# Altium PCB PCB1.PcbDoc (continued)
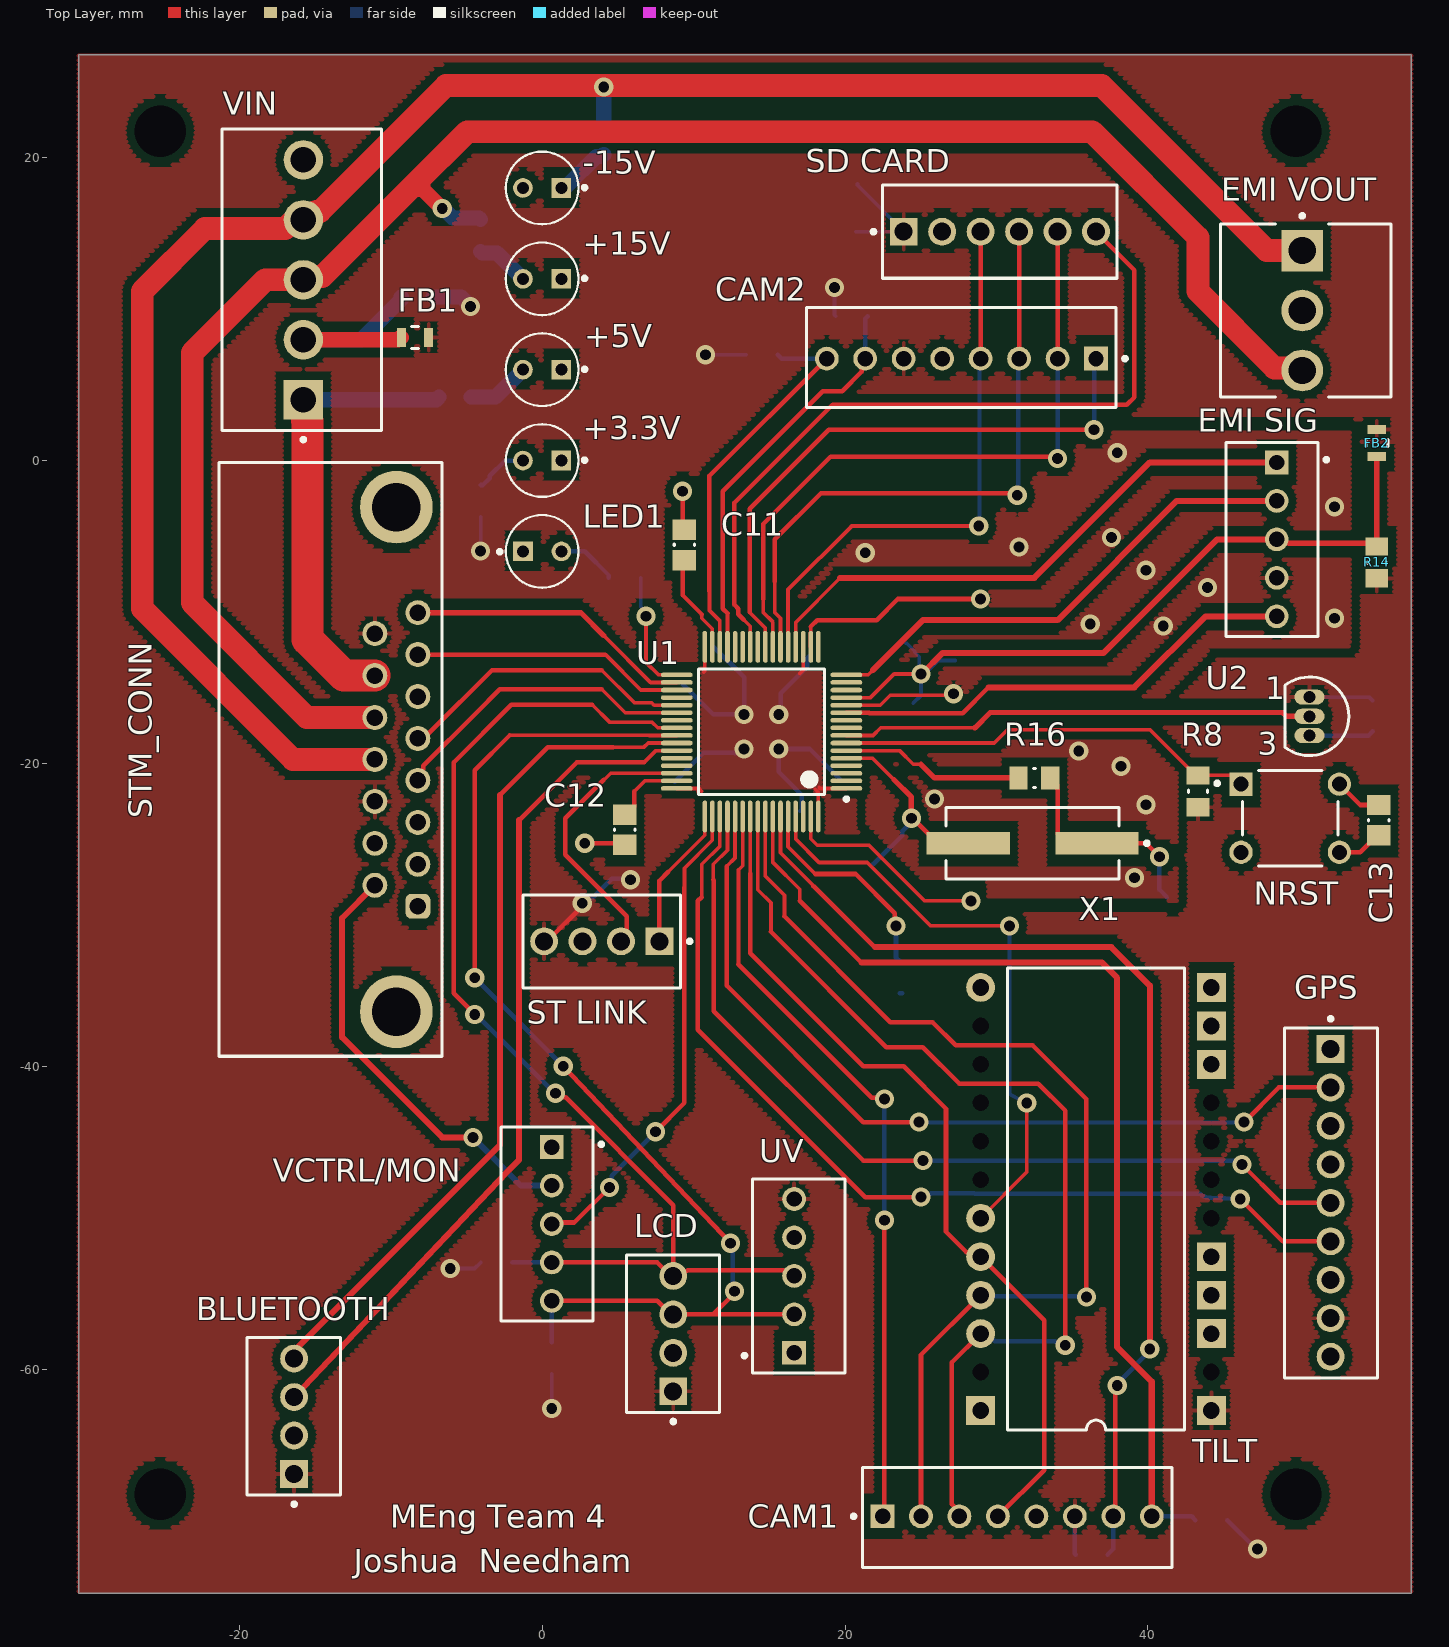
[diagram p0: Top Layer view]
## Footprints (in the part's own frame and the unit in brackets; to place one, negate y for a bottom-side part, rotate by r counter-clockwise, add the part's x,y. Pads: shape width x height; smd on the part's side, far side on the other; paste and mask are expansions set on the pad) (continued)
  rect 1.57x1.57 hole 1.02 paste-2539.97 mask+0: 1(-8.895,0.075)
  round 1.57 hole 1.02 paste-2539.97 mask+0: 2(-6.355,0.075) 3(-3.815,0.075) 4(-1.275,0.075) 5(1.265,0.075) 6(3.805,0.075) 7(6.345,0.075) 8(8.885,0.075)
  silkscreen extent -10.93,-3.3 10.21,3.3, body extent -10.31,-3.4 10.31,3.4, height 0.25
FP-22-27-2061-MFG [mm]
  rect 1.84x1.84 hole 1.19 paste-2539.97 mask+0: 1(-6.35,0)
  round 1.84 hole 1.19 paste-2539.97 mask+0: 2(-3.81,0) 3(-1.27,0) 4(1.27,0) 5(3.81,0) 6(6.35,0)
  silkscreen extent -8.47,-3.08 7.75,3.07, body extent -7.85,-3.17 7.85,3.17, height 0.25
FP-22-29-2041-MFG [mm]
  rect 1.84x1.84 hole 1.19 paste-2539.97 mask+0: 1(3.81,0.02)
  round 1.84 hole 1.19 paste-2539.97 mask+0: 2(1.27,0.02) 3(-1.27,0.02) 4(-3.81,0.02)
  silkscreen extent -5.2,-3.07 5.93,3.08, body extent -5.31,-3.18 5.31,3.18, height 0.25
FP-22-29-2091-MFG [mm]
  rect 1.84x1.84 hole 1.19 paste-2539.97 mask+0: 1(10.16,0.02)
  round 1.84 hole 1.19 paste-2539.97 mask+0: 2(7.62,0.02) 3(5.08,0.02) 4(2.54,0.02) 5(0,0.02) 6(-2.54,0.02) 7(-5.08,0.02) 8(-7.62,0.02) 9(-10.16,0.02)
  silkscreen extent -11.55,-3.07 12.28,3.08, body extent -11.66,-3.18 11.66,3.17, height 0.25
FP-26-60-4050-MFG [mm]
  rect 2.6x2.6 hole 1.7 paste-2539.97 mask+0: 1(7.92,0.105)
  round 2.6 hole 1.7 paste-2539.97 mask+0: 2(3.96,0.105) 3(0,0.105) 4(-3.96,0.105) 5(-7.92,0.105)
  silkscreen extent -9.95,-5.26 10.68,5.26, body extent -10.05,-5.36 10.05,5.36, height 0.25
FP-BLM21-0_2-t0_85-e0_5-MFG [mm]
  rect 0.6x1.25 smd paste+0 mask+0: 1(-0.9,0) 2(0.9,0)
  silkscreen extent -0.23,-0.72 0.23,0.72, body extent -1.3,-0.82 1.3,0.82, height 0.25
FP-CRCW0805-e3-IPC_A [mil]
  rect 47.5x59.38 smd paste+0 mask+0: 1(-41.37,0) 2(41.37,0)
  silkscreen extent -3,-25 3,25, body extent -39,-25 39,25, height 20
FP-GRM21A-0_2-IPC_A [mm]
  rect 1.505x1.556 smd paste+0 mask+0: 1(-0.901,0) 2(0.901,0)
  silkscreen extent -1.65,-1.18 1.65,1.18, body extent -1,-0.63 1,0.63, height 1
FP-LTL-1CHEE-MFG [mm]
  rect 1.3x1.3 hole 0.8 paste-2539.97 mask+0: 1(-1.27,0)
  round 1.3 hole 0.8 paste-2539.97 mask+0: 2(1.27,0)
  silkscreen extent -2.93,-2.4 2.4,2.4, body extent -2.15,-2.15 2.15,2.15, height 0.25
STM-LQFP64_M [mm] "Thin QFP, 64-Leads, Body 10x10mm, Pitch 0.5mm, IPC Low Density"
  oval 2.1x0.3 smd: 1(-5.6,3.75) 2(-5.6,3.25) 3(-5.6,2.75) 4(-5.6,2.25) 5(-5.6,1.75) 6(-5.6,1.25) 7(-5.6,0.75) 8(-5.6,0.25) 9(-5.6,-0.25) 10(-5.6,-0.75) 11(-5.6,-1.25) 12(-5.6,-1.75) 13(-5.6,-2.25) 14(-5.6,-2.75) 15(-5.6,-3.25) 16(-5.6,-3.75) 33(5.6,-3.75) 34(5.6,-3.25) 35(5.6,-2.75) 36(5.6,-2.25) 37(5.6,-1.75) 38(5.6,-1.25) 39(5.6,-0.75) 40(5.6,-0.25) 41(5.6,0.25) 42(5.6,0.75) 43(5.6,1.25) 44(5.6,1.75) 45(5.6,2.25) 46(5.6,2.75) 47(5.6,3.25) 48(5.6,3.75)
  oval 0.3x2.1 smd: 17(-3.75,-5.6) 18(-3.25,-5.6) 19(-2.75,-5.6) 20(-2.25,-5.6) 21(-1.75,-5.6) 22(-1.25,-5.6) 23(-0.75,-5.6) 24(-0.25,-5.6) 25(0.25,-5.6) 26(0.75,-5.6) 27(1.25,-5.6) 28(1.75,-5.6) 29(2.25,-5.6) 30(2.75,-5.6) 31(3.25,-5.6) 32(3.75,-5.6) 49(3.75,5.6) 50(3.25,5.6) 51(2.75,5.6) 52(2.25,5.6) 53(1.75,5.6) 54(1.25,5.6) 55(0.75,5.6) 56(0.25,5.6) 57(-0.25,5.6) 58(-0.75,5.6) 59(-1.25,5.6) 60(-1.75,5.6) 61(-2.25,5.6) 62(-2.75,5.6) 63(-3.25,5.6) 64(-3.75,5.6)
  silkscreen extent -5.72,-4.15 4.15,4.57, body extent -5,-5 5,5, height 1.6

## Part data
+3.3V +5V +15V -15V LED1: library part CMP-22017-000040-1, "LED RED CLEAR T/H", Case/Package=T, Color=Red, Forward Current=30mA, Forward Voltage=2V, Max Operating Temperature=100°C, Max Power Dissipation=100mW, Min Operating Temperature=-55°C, Package Quantity=1000, Reverse Voltage=5V, Test Current=10mA, Depth=3.8mm, Diameter=3.1mm, Dominant Wavelength=625nm, Height=5.2mm, Illumination Color=Red, Lead Free="Lead Free", Length=3.8mm, Lens Color=Red, Lens Style=Dome, Lens Transparency=Clear, Luminous Intensity=19mcd, Mount="Through Hole", Number of Elements=1, Number of LEDs=1, Number of Pins=2, Packaging=Bulk, Power Dissipation=100mW, Radiation Hardening=No, RoHS Compliant=Yes, Series=-, Viewing Angle=45°, Wavelength=635nm, Width=3.8mm
BLUETOOTH LCD "ST LINK": library part CMP-04776-000366-1, "CONN HEADER VERT 4POS 2.54MM", Color=Natural, Contact Resistance=10mR, Current Rating=4A, Flammability Rating="UL94 V-0", Housing Color=White, Insulation Resistance=50GR, Max Operating Temperature=75°C, Min Operating Temperature=0°C, Package Quantity=1500, Voltage Rating=250V, Contact Gender=Male, Contact Material=Brass, Contact Mating Length=0.295inch, Contact Plating=Gold, Contact Type="Male Pin", Depth=5.8mm, Fastening Type=Friction, Gender=Male, Glow Wire Compliant=Non-compliant, Halogen Free="Low Halogen", Height=11.7mm, Housing Material=Nylon, Lead Free="Lead Free", Length=10.16mm, Max Current Rating=4A, Mount="Through Hole", Number of Circuits=4, Number of Contacts=4, Number of Lines=1, Number of Poles=4, Number of Positions=4, Number of Rows=1, Orientation=Straight, Packaging=Bulk, Pitch=2.54mm, Radiation Hardening=No, RoHS Compliant=Yes, Series="KK® 6410", Termination=Solder, Voltage Rating (DC)=250V
C1 C2 C5 C6 C7 C8 C9 C10 C11 C12 C13 C15: library part CMP-1036-04393-1, "CAP 100nF 10V ±5% 0805 (2012 Metric) Thickness 1mm SMD", Case-EIA=0805, Case-Metric=2012, Rated Voltage="10 V", Tolerance=Â±5%, Max Thickness="1 mm", Technology=SMT
C3 C4 C14: library part CMP-2007-04673-1, Manufacturer="AVX Interconnect / Elco", Part Number=0805ZC105KAT4A
C16 C17: library part CMP-06035-033407-1, "Chip Multilayer Ceramic Capacitors for General Purpose, 0805, 22pF, C0G, 30ppm/°C, 1%, 630V GRM21A5C2J220FWA1D"
CAM1 CAM2: library part CMP-04776-001014-1, "CONN HEADER VERT 8POS 2.54MM", Color=White, Contact Resistance=10mR, Current Rating=4A, Flammability Rating="UL94 V-0", Max Current Rating=1A, Max Operating Temperature=75°C, Min Operating Temperature=0°C, Voltage Rating=250V, Approvals=UL, Connector Type="Male Pin", Contact Material=Brass, Contact Mating Length=0.295inch, Contact Plating=Gold, Contact Type="Male Pin", Depth=6.35mm, Fastening Type=Friction, Gender=Male, Height=10.05mm, Housing Color=White, Housing Material=Nylon, Lead Free="Lead Free", Length=20.32mm, Mount="Through Hole", Number of Circuits=8, Number of Contacts=8, Number of Positions=8, Number of Rows=1, Orientation=Straight, Packaging=Bulk, Pitch=2.54mm, Radiation Hardening=No, Series="KK® 6373", Termination=Solder
"EMI SIG" UV VCTRL/MON: library part CMP-03369-000062-1, "CONN HEADER VERT 5POS 2.54MM", Current Rating=5A, Manufacturer="TE Connectivity", Manufacturer Part Number=3-641215-5, Temperature="-55°C to +105°C", Temperature Range High=+105°C, Temperature Range Low=-55°C, Voltage Rating=250V, Automotive=No, Category=Conn, ComponentLink2Description=Datasheet, ComponentLink2URL=https://www.te.com/commerce/DocumentDelivery/DDEController?Action=showdoc&DocId=Specification+Or+Standard%7F108-1050%7FL%7Fpdf%7FEnglish%7FENG_SS_108-1050_L.pdf%7F3-641215-5, Conn Gender=Male, Conn Orientation=Vertical, Contact Material=Gold,Nickel, Device Class L1=Connectors, Device Class L2="Headers and Wire Housings", Device Class L3=unset, Digikey Description="CONN HEADER VERT 5POS 2.54MM", Footprint Url=https://www.te.com/commerce/DocumentDelivery/DDEController?Action=showdoc&DocId=Customer+Drawing%7F641215%7FZ4%7Fpdf%7FEnglish%7FENG_CD_641215_Z4.pdf%7F3-641215-5, Height=0.415inch, Lead Free=Yes, Mouser Description="Headers & Wire Housings FRICTION LCK HDR 5P Straight Post gold", Number of Contacts=5, Number of Rows=1, Octopart=https://octopart.com/3-641215-5-te+connectivity-40938285, Package=3-641215-5, Pitch=2.54mm, RoHS=TRUE
"EMI VOUT": library part CMP-04776-000251-1, "CONN HEADER VERT 3POS 3.96MM", Color=Natural, Contact Resistance=10mR, Current Rating=7A, Flammability Rating="UL94 V-2", Max Operating Temperature=105°C, Max Voltage Rating (AC)=250V, Min Operating Temperature=-40°C, Package Quantity=8000, Contact Gender=Male, Contact Material=Brass, Contact Plating=Tin, Gender=Male, Glow Wire Compliant=Non-compliant, Halogen Free="Halogen Free", Housing Color=Natural, Housing Material=Nylon, Lead Free="Lead Free", Mating Cycles=30, Mount="Through Hole", Number of Contacts=3, Number of Positions=3, Number of Rows=1, Orientation=Straight, Packaging=Bulk, Pitch=3.96mm, Radiation Hardening=No, RoHS Compliant=Yes, Series=5273, Termination="Through Hole", Voltage Rating=250V, Voltage Rating (DC)=250V
FB1 FB2: library part CMP-0686-00622-4, "Chip Ferrite Bead, 0805, 22Ω @ 100MHz, 0.009Ω, 25%, 6A", Case Code (Imperial)=0805, Case Code (Metric)=2012, Current Rating=6A, DC Resistance (DCR)=9mR, Manufacturer Series=BLM21P, Max Operating Temperature=125°C, Min Operating Temperature=-55°C, Package Quantity=1, Resistance=10mR, Test Frequency=100MHz, Tolerance=25%, Case/Package=0805, Core Material=Ferrite, DC Current=6A, DC Resistance-Max=9mR, Depth=1.25mm, Height=0.85mm, Impedance=22R, Lead Free="Lead Free", Length=2mm, Material=Steel, Max Current Rating=6A, Max DC Current=6A, Number of Circuits=1, Number of Functions=1, Number of Lines=1, Number of Pins=2, Packaging="Tape and Reel", Radiation Hardening=No, REACH SVHC="No SVHC", RoHS Compliant=Yes, Series=BLM21P, Shielding=Unshielded, Terminal Finish=Tin, Termination=SMD/SMT, Weight=0.000194oz, Width=1.25mm
GPS: library part CMP-00257-00277738-1, "22-29-2091 KK® 254 Wire-to-Board Header, Vertical, with Friction Lock, 9 Circuits, Gold (Au) Plating", Color=Natural, Contact Resistance=10mΩ, Current Rating=4A, Flammability Rating="UL94 V-0", Insulation Resistance=50GΩ, Max Operating Temperature=75°C, Min Operating Temperature=0°C, Voltage Rating=250V, Connector Type="Male Pin", Contact Material=Brass, Contact Mating Length=7.493mm, Contact Plating=Gold, Fastening Type=Friction, Gender=Male, Glow Wire Compliant=Non-compliant, Halogen Free="Low Halogen", Housing Material=Nylon, Lead Free="Lead Free", Lead Pitch=2.54mm, Mount="Through Hole", NexarPartId=277738, Number of Circuits=9, Number of Contacts=9, Number of Pins=9, Number of Positions=9, Number of Rows=1, Orientation=Vertical, Packaging=Bulk, Pitch=2.54mm, RoHS=Compliant, Termination=Solder, Voltage Rating (DC)=250V, Working Voltage=250V
NRST: library part CMP-03402-000004-1, "SWITCH TACTILE SPST-NO 0.05A 24V", Contact Current Rating=50mA, Contact Resistance=100mΩ, Manufacturer="TE Connectivity", Operating Force=160gf, Temperature="-35°C to +85°C", Temperature Range High=+85°C, Temperature Range Low=-35°C, Voltage Rating Dc=24V, Automotive=No, Category=Switch, ComponentLink2Description=Datasheet, ComponentLink2URL=https://www.te.com/commerce/DocumentDelivery/DDEController?Action=showdoc&DocId=Customer+Drawing%7F1825910%7FC10%7Fpdf%7FEnglish%7FENG_CD_1825910_C10.pdf%7F2-1825910-7, Device Class L1=Electromechanical, Device Class L2=Switches, Device Class L3="Pushbutton Switches", Digikey Description="SWITCH TACTILE SPST-NO 0.05A 24V", Electromechanical Life=100000Cycles, Height=13.3mm, Lead Free=Yes, Manufacturer Part Number=2-1825910-7, Mount="Through Hole", Mouser Description="Switch Tactile OFF (ON) SPST Extended Round Button PC Pins 0.05A 24VDC 100000Cycles 1.57N Thru-Hole Loose", Octopart=https://octopart.com/2-1825910-7-te+connectivity-42270510, Package=2-1825910-7, RoHS=TRUE, Throw Configuration=SPST-NO
R1 R2 R3 R4 R5 R6 R7 R8 R9 R10 R11 R12 R13 R14 R15 R16: library part CMP-2001-04067-2, "RES Thick Film, 680Ω, 5%, 0.125W, 200ppm/°C, 0805", Case Code (Imperial)=0805, Case Code (Metric)=2012, Max Operating Temperature=155°C, Max Power Dissipation=125mW, Min Operating Temperature=-55°C, Package Quantity=1, Resistance=680R, Temperature Coefficient=200ppm/°C, Tolerance=5%, Voltage Rating=150V, Case/Package=0805, Composition="Thick Film", Contact Plating=Tin, Depth=1.25mm, Features="Automotive AEC-Q200", Height=0.45mm, Lead Free="Lead Free", Length=2mm, Military Standard=Not, Number of Pins=2, Number of Terminations=2, Packaging="Tape and Reel", Power Rating=125mW, Radiation Hardening=No, Termination=SMD/SMT, Voltage Rating (DC)=150V, Weight=0.000194oz, Width=1.25mm
"SD CARD": library part CMP-04776-000309-1, "CONN HEADER VERT 6POS 2.54MM", Color=Natural, Contact Resistance=10mR, Current Rating=4A, Flammability Rating="UL94 V-0", Housing Color=White, Max Operating Temperature=75°C, Max Voltage Rating (AC)=250V, Min Operating Temperature=0°C, Package Quantity=10000, Connector Type="Male Pin", Contact Material=Brass, Contact Mating Length=0.295inch, Contact Plating=Tin, Contact Type="Male Pin", Depth=5.8mm, Fastening Type=Friction, Gender=Male, Hole Diameter=1.02mm, Housing Material=Nylon, Lead Pitch=2.54mm, Length=15.24mm, Material=Nylon, Max Current Rating=4A, Mount="Through Hole", Number of Contacts=6, Number of Positions=6, Number of Rows=1, Orientation=Straight, Packaging=Bulk, Pitch=2.54mm, Radiation Hardening=No, REACH SVHC="No SVHC", Series=KK, Termination=Solder, Voltage Rating=250V, Voltage Rating (AC)=250V, Working Voltage=250V
STM_CONN: library part CMP-1502-00205-3, "15 Way Right Angle Through Hole Pcb D-sub Connector Socket, 2.77MM, 2.84MM Pitch", Contact Resistance=30mΩ, Current Rating=3A, Insulation Resistance=5GΩ, Max Operating Temperature=105°C, Min Operating Temperature=-55°C, Operating Supply Voltage=125V, Contact Plating=Gold, Depth=20.75mm, Gender=Female, Housing Material=Steel, Insulation Material=PBT, Length=24.76mm, Mount="Through Hole", Number of Contacts=15, Number of Pins=15, Number of Rows=2, Orientation="Right Angle", Pitch=2.77mm, RoHS=Compliant, Termination=SMD/SMT, Voltage Rating=125V, Width=12.5mm
U1: library part CMP-0243-00019-3, "ARM Cortex-M4 32-bit MCU+FPU, 210 DMIPS, 1024 kB Flash, 192 kB Internal RAM, 51 I/Os, 64-pin LQFP, -40 to 85 degC, Tray", I/Os (High Current)=51, Manufacturer=STMicroelectronics, Operating Frequency(F) (Processor speed) (MHz)=168, Supply Voltage(Vcc) max (V)=3.6, Supply Voltage(Vcc) min (V)=1.8, ComponentLink1Description="Manufacturer URL", ComponentLink1URL=http://www.st.com/web/en/home.html, ComponentLink2Description=Datasheet, ComponentLink2URL=http://www.st.com/st-web-ui/static/active/en/resource/technical/document/datasheet/DM00037051.pdf, ComponentLink3Description="Package Specification", ComponentLink3URL=http://www.st.com/st-web-ui/static/active/en/resource/technical/document/datasheet/DM00037051.pdf, Core="ARM Cortex-M4", D/A Converter=2x12-bit, DatasheetVersion="Rev. 4", FLASH Size (Prog) (kB)=1024, Internal RAM Size (kB)=192, Mounting Technology="Surface Mount", PackageDescription="64-Pin Low Profile Quad Flat Package, 10 x 10 mm Body, 0.5 mm Pitch", PackageReference=LQFP64, PackageVersion="Rev. 4, 06/2013", Packing=Tray, PartNumber=STM32F405RGT6
U2: library part CMP-0887-00067-1, "Low Voltage Temperature Sensor, 2.7 to 5.5 V Supply, Industrial, 3-pin TO92 (T-3), Tray", Manufacturer="Analog Devices", Supply Voltage Range="2.7 to 5.5 V", Code_JEDEC=TO-226-AA, ComponentLink1Description="Manufacturer URL", ComponentLink1URL=http://www.analog.com/en/index.html, ComponentLink2Description=Datasheet, ComponentLink2URL=http://www.analog.com/static/imported-files/data_sheets/TMP35_36_37.pdf, ComponentLink3Description="Package Specification", ComponentLink3URL=http://www.analog.com/static/imported-files/packages/PKG_PDF/TO-92(T)/T_3.pdf, ComponentLink4Description="Product URL", ComponentLink4URL=http://www.analog.com/en/mems-sensors/digital-temperature-sensors/tmp36/products/product.html, DatasheetVersion="Rev. F", Mounting Technology="Through Hole", PackageDescription="3-Pin Plastic Header-Style Package, 1.27 mm Pitch", PackageReference=T-3, PackageVersion="042208-A, 04/2008", Packing=Tray, PartNumber=TMP36GT9Z
VIN: library part CMP-04776-000344-1, "CONN HEADER VERT 5POS 3.96MM", Color=Natural, Contact Resistance=6mR, Current Rating=7A, Flammability Rating="UL94 V-0", Insulation Resistance=50GR, Max Operating Temperature=75°C, Max Voltage Rating (AC)=250V, Min Operating Temperature=0°C, Package Quantity=400, Approvals=UL, Contact Gender=Male, Contact Material=Brass, Contact Mating Length=0.45inch, Contact Plating=Tin, Contact Type="Male Pin", Depth=10.01mm, Fastening Type=Friction, Gender=Male, Glow Wire Compliant=Non-compliant, Housing Color=Natural, Housing Material=Polyester, Lead Free="Lead Free", Material=Polyester, Mount="Through Hole", Number of Circuits=5, Number of Contacts=5, Number of Lines=1, Number of Poles=5, Number of Positions=5, Number of Rows=1, Orientation=Straight, Packaging=Bulk, Pitch=3.96mm, Radiation Hardening=No, RoHS Compliant=Yes, Series="KK® 41791", Termination=Solder, Voltage Rating=250V, Voltage Rating (DC)=250V
X1: library part CMP-1215-00001-1, "At-Cut Crystal Unit, 3.5 to 30 MHz, -40 to 85 degC, 2-Pin 11.4Ã—4.7Ã—4.3 mm SMD, RoHS, Reel", Manufacturer="Citizen Finetech Miyota", Operating Temperature="-40 to 85 degC", C0="7 pF Max.", ComponentLink1Description="Manufacturer URL", ComponentLink1URL=http://cfm.citizen.co.jp/english/index.html, ComponentLink2Description=Datasheet, ComponentLink2URL=http://cfm.citizen.co.jp/english/product/pdf/HCM49.pdf, ComponentLink3Description="Package Specification", ComponentLink3URL=http://cfm.citizen.co.jp/english/product/pdf/HCM49.pdf, DatasheetVersion=Jan-12, DL="100 uW", f0="3.5 to 30 MHz", IR="500 MOhm Min.", Mounting Technology="Surface Mount", PackageDescription="2-Pin Surface Mount, Body 11.4 x 4.7 mm, Pitch 8.5 mm", Packing=Reel, PartNumber=HCM49-8.000MABJ-UT, R1="50 to 200 Ohm", RoHS=TRUE

## Free pads (board coordinates)
  round 1.524 hole 3.4: 1(49.784,21.736) 2(-25.216,21.736) 3(-25.216,-68.264)
  round 0 hole 3.4: 4(49.784,-68.264)

## Via types
v1: diameter 1.27, hole 0.711, Top Layer to Bottom Layer, 67 vias

## Nets (pads, with @x,y where several pads share a name; then routed paths per layer and width w, separated by ;. In a path a pad name is that pad's centre, name@x,y a point inside that pad or via, vN(x,y) a via of type N, cw(c..) or ccw(c..) an arc to the next point about the centre after c; other vN are vias at no path point)
+3.3V: "SD CARD.1" "ST LINK.4" BLUETOOTH.1 C1.2 C2.2 C3.2 C5.2 C6.2 C7.2 C9.2 C10.2 C15.2 CAM1.6 CAM2.6 FB1.1 FB2.1 GPS.8 LCD.1 R2.2 R4.1 R6.1 R8.2 R10.1 R11.1 R12.1 R13.1 R14.2 R15.1 STM_CONN.11 STM_CONN.15 TILT.1 U1.1 U1.19 U1.32 U1.48 U1.64 U2.1 UV.5 | length 78.4
  Top Layer w0.24: U1.48 10.352,-21.655 10.541,-21.844 ; 10.668,-13.97 10.74,-13.898 U1.32 ; 17.018,-14.06 17.24,-13.838 ; 17.24,-13.836 17.24,-13.838 ; U1.19 17.24,-13.838 ; 18.034,-21.717 18.24,-21.923 U1.64 ; 18.288,-21.59 18.353,-21.655 U1.1
  Top Layer w0.3: 0.508,-31.75 0.508,-31.565 2.647,-29.425 v1(2.647,-29.24)
  Bottom Layer w0.24: v1(-6.076,-53.36) -4.465,-53.36 R13.1 ; v1(-4.064,-5.969) R2.2 ; v1(0.635,-62.611) R12.1 ; v1(10.795,6.985) R11.1 ; 12.679,-19.304 12.736,-19.361 13.138,-19.361 v1@13.335,-19.558 ; v1@15.621,-16.256 v1@15.748,-16.383 ; v1@15.748,-16.764 v1@15.748,-16.383 ; v1@15.818,-16.453 v1@15.748,-16.383 ; C6.2 C6.2@17.145,-23.019 ; C3.2@17.508,-13.01 C3.2 ; v1(19.304,11.43) 19.304,9.617 R10.1 ; C9.2 23.876,15.113 23.076,15.913 23.076,15.94 20.828,18.188 C10.2 ; U2.1 54.61,-15.621 C15.2
  Bottom Layer w0.3: v1(2.647,-29.24) 2.91,-29.24 3.209,-28.941 3.282,-28.941 4.607,-27.616 5.772,-27.616 v1(5.842,-27.686) ; C2.2 10.652,-19.304 12.679,-19.304 ; C7.2 11.287,-16.764 v1(13.335,-16.764) 13.335,-14.319 C1.2 ; v1@15.748,-16.383 15.748,-15.367 17.508,-13.607 C3.2@17.508,-13.01 ; C6.2@17.145,-23.019 17.145,-22.091 15.621,-20.567 v1(15.621,-19.05) 17.669,-19.05 C5.2 ; CAM2.6 CAM2.6@23.876,6.985 ; CAM1.6 35.179,-72.206 R6.1 ; R4.1 47.147,-71.877 v1(47.246,-71.877)
  Bottom Layer w1: R15.1 -5.342,10.795 v1(-4.723,10.176)
  other v1: 13.335,-19.05 15.621,-16.764
"+3.3V ADC Reference": "EMI SIG.3" C4.2 C8.2 C14.2 FB2.2 R14.1 U1.13 | length 52.7
  Top Layer w0.24: U1.13 21.683,-15.655 23.241,-14.097 v1(25.019,-14.097)
  Top Layer w0.35: 48.514,-5.207 48.747,-5.44 49.306,-5.44 49.327,-5.461 54.899,-5.461 R14.1 FB2.2
  Top Layer w0.4: v1(25.019,-14.097) 25.053,-14.097 26.45,-12.7 37.084,-12.7 44.577,-5.207 48.514,-5.207
  Bottom Layer w0.24: C4.2 24.078,-12.065 24.608,-12.595 24.608,-12.67 24.899,-12.961 24.899,-13.267 24.91,-13.278 24.91,-13.988 v1(25.019,-14.097) ; C8.2 25.019,-15.51 v1(25.019,-14.097) ; C14.2 26.162,-13.208 25.273,-14.097 v1(25.019,-14.097)
+3.3V_RAW: FB1.2 R15.2 VIN.2 | length 14.3
  Top Layer w1: VIN.2 -9.518,7.978 -9.368,8.128 FB1.2
  Bottom Layer w1: VIN.2 -11.972,7.978 -9.306,10.644 R15.2
+5V: R3.2 STM_CONN.14 VIN.1 | length 30.4
  Top Layer w2.1: VIN.1 -15.52,3.768 -15.52,2.653 -15.494,2.627 -15.494,-11.811 -13.105,-14.2 STM_CONN.14
  Bottom Layer w1: VIN.1 -6.974,4.018 R3.2
+15V: "EMI VOUT.3" R5.2 STM_CONN.13 VIN.3 | length 124.8
  Top Layer w1: -8.128,18.161 v1(-6.604,16.637)
  Top Layer w1.5: VIN.3 -18.288,11.938 -23.114,7.112 -23.114,-9.398 -15.542,-16.97 STM_CONN.13 ; VIN.3@-15.56,12.148 -14.522,12.148 -8.509,18.161 ; -8.128,18.161 -8.509,18.161 ; 50.194,5.946 50.026,6.114 48.369,6.114 43.307,11.176 43.307,14.732 36.322,21.717 -4.953,21.717 -8.509,18.161
  Bottom Layer w1: v1(-6.604,16.637) -6.531,16.637 -5.907,16.013 -4.167,16.013 R5.2
-15V: "EMI VOUT.1" R7.2 STM_CONN.12 VIN.4 | length 129.6
  Top Layer w1.5: STM_CONN.12 -16.455,-19.74 -26.416,-9.779 -26.416,11.176 -22.273,15.319 -16.971,15.319 -16.392,15.898 VIN.4 -15.472,15.898 -14.922,16.448 -14.667,16.448 -6.35,24.765 -3.81,24.765 36.957,24.765 47.856,13.866 50.194,13.866
  Bottom Layer w1: R7.2 v1(4.064,24.673)
Boost_EN: U1.50 VCTRL/MON.3 | length 32.1
  Top Layer w0.24: 9.398,-28.194 9.398,-26.924 11.24,-25.082 U1.50
  Top Layer w0.3: VCTRL/MON.3 0.733,-50.321 2.13,-50.321 v1(4.445,-48.006) ; v1(7.493,-44.323) 9.398,-42.418 9.398,-28.194
  Bottom Layer w0.3: v1(4.445,-48.006) 4.595,-47.856 4.595,-47.221 v1(7.493,-44.323)
Buck_EN: STM_CONN.9 VCTRL/MON.2 | length 28.8
  Top Layer w0.4: STM_CONN.9 -13.208,-30.209 -13.208,-38.1 -6.604,-44.704 v1(-4.572,-44.704)
  Bottom Layer w0.4: v1(-4.572,-44.704) -1.397,-47.879 VCTRL/MON.2
CAM1_CS: CAM1.1 U1.54 | length 50.8
  Top Layer w0.24: 12.954,-27.051 13.24,-26.765 U1.54
  Top Layer w0.27: 12.954,-33.259 12.954,-27.051
  Top Layer w0.3: 12.954,-33.259 21.765,-42.07 22.512,-42.07 v1(22.606,-42.164) ; CAM1.1 22.606,-69.596 v1(22.606,-50.165)
  Bottom Layer w0.3: v1(22.606,-50.165) v1(22.606,-42.164)
CAM1_I2C1_SDA: CAM1.7 R6.2 U1.59 | length 69.2
  Top Layer w0.24: U1.59 15.74,-25.9 17.907,-28.067 17.907,-28.105
  Top Layer w0.3: 17.907,-28.105 17.945,-28.105 21.971,-32.131 ; CAM1.7 37.846,-69.596 37.846,-61.214 v1(37.973,-61.087)
  Top Layer w0.4: 21.971,-32.131 37.592,-32.131 40.132,-34.671 v1(40.132,-58.674)
  Bottom Layer w0.3: R6.2 37.719,-71.882 CAM1.7 ; v1(37.973,-61.087) 37.973,-60.96 40.132,-58.801 v1(40.132,-58.674)
CAM1_I2C1_SDL: CAM1.8 R4.2 U1.58 | length 68.9
  Top Layer w0.24: U1.58 15.24,-26.543 17.018,-28.321 17.018,-29.083
  Top Layer w0.3: 17.018,-29.083 21.082,-33.147
  Top Layer w0.4: 21.082,-33.147 36.957,-33.147 37.973,-34.163 37.973,-58.547 40.259,-60.833 CAM1.8
  Bottom Layer w0.3: CAM1.8 42.891,-69.723 R4.2
CAM2_CS: CAM2.1 U1.24 | length 39.2
  Top Layer w0.24: 13.716,-10.033 14.74,-11.057 U1.24
  Top Layer w0.3: 13.716,-10.033 13.716,-3.175 18.923,2.032 v1(36.449,2.032)
  Bottom Layer w0.3: v1(36.449,2.032) 36.449,6.604 CAM2.1
CAM2_I2C2_SDA: CAM2.8 R11.2 U1.30 | length 25.9
  Top Layer w0.24: 11.049,-8.636 11.049,-9.906 11.74,-10.597 U1.30
  Top Layer w0.3: 11.049,-8.636 11.049,-1.016 CAM2.8
  Bottom Layer w0.3: R11.2 15.818,6.731 CAM2.8
CAM2_I2C2_SDL: CAM2.7 R10.2 U1.29 | length 26.7
  Top Layer w0.24: U1.29 12.24,-10.081
  Top Layer w0.3: 12.24,-10.081 11.938,-9.779 11.938,-2.032 18.542,4.572 19.812,4.572 21.093,5.853 21.093,6.488 CAM2.7
  Bottom Layer w0.3: CAM2.7 21.336,9.363 R10.2
GND: "EMI SIG.4" "EMI VOUT.2" "SD CARD.2" "ST LINK.3" +3.3V.1 +5V.1 +15V.1 -15V.2 BLUETOOTH.2 C1.1 C2.1 C3.1 C4.1 C5.1 C6.1 C7.1 C8.1 C9.1 C10.1 C11.1 C12.1 C13.1 C14.1 C15.1 C16.2 C17.2 CAM1.5 CAM2.5 GPS.7 LCD.2 LED1.1 NRST.3 NRST.4 R9.1 STM_CONN.1 STM_CONN.2 STM_CONN.3 STM_CONN.6 STM_CONN.10 TILT.2 U1.12 U1.18 U1.63 U2.3 UV.4 VCTRL/MON.1 VIN.5 | length 47.3
  Top Layer w0.24: U1.63 17.74,-24.979 18.161,-25.4 21.59,-25.4 25.273,-29.083 v1(28.321,-29.083) ; U1.18@17.74,-11.405 17.74,-10.962 ; U1.12 22.326,-16.155 22.987,-15.494 27.066,-15.494 v1(27.166,-15.394)
  Top Layer w0.3: v1(2.809,-25.273) 5.35,-25.273 C12.1 ; v1(9.271,-2.032) 9.271,-4.445 C11.1 ; U1.18 U1.18@17.74,-11.405 ; 17.74,-10.962 18.161,-10.541 22.098,-10.541 23.495,-9.144 v1(28.956,-9.144) ; NRST.4 54.022,-25.872 55.145,-24.749 C13.1
  Bottom Layer w0.3: R9.1 R9.1@23.773,-35.179 ; U2.3 54.578,-18.161 C15.1
  other v1: 39.116,-27.559 39.878,-22.733 25.908,-22.352 38.227,-20.193 35.433,-19.177 41.021,-10.922 36.195,-10.795 52.324,-10.414 43.942,-8.382 39.878,-7.239 21.336,-6.096 31.496,-5.715 37.592,-5.08 52.324,-3.048 37.973,0.508
GPIO_PB12: R1.2 U1.33 | length 8.4
  Top Layer w0.24: v1@6.858,-10.033 6.858,-13.335 7.678,-14.155 U1.33
  Bottom Layer w0.24: R1.2 6.512,-9.662 6.858,-10.008 v1(6.858,-10.287)
GPIO_PB13: STM_CONN.8 U1.34 | length 19
  Top Layer w0.24: 4.064,-11.557 7.162,-14.655 U1.34
  Top Layer w0.35: STM_CONN.8 2.552,-10.045 4.064,-11.557
GPIO_PB14: STM_CONN.7 U1.35 | length 18.1
  Top Layer w0.24: 4.179,-12.815 6.519,-15.155 U1.35
  Top Layer w0.3: STM_CONN.7 4.179,-12.815
GPS_EN: GPS.2 U1.53 | length 56
  Top Layer w0.24: 12.192,-26.797 12.74,-26.249 U1.53
  Top Layer w0.3: 12.192,-26.797 12.192,-34.671 21.209,-43.688 v1(24.892,-43.688) ; v1(46.355,-43.688) 48.641,-41.402 GPS.2
  Bottom Layer w0.3: v1(24.892,-43.688) 31.999,-43.718 ccw(c32.004,-42.433) 32.007,-43.718 v1(46.355,-43.688)
I2C3_SCL: LCD.3 R12.2 U1.41 UV.2 VCTRL/MON.5 | length 76.8
  Top Layer w0.24: -2.153,-18.155 -2.151,-18.153 7.08,-18.153 7.082,-18.155 U1.41
  Top Layer w0.3: v1(-4.445,-34.163) -4.445,-20.447 -2.153,-18.155 ; VCTRL/MON.5 7.608,-55.499 8.496,-56.388 LCD.3 11.303,-56.388 ; v1(1.397,-40.005) v1(12.446,-51.689) ; v1(12.7,-54.864) 12.7,-54.991 11.303,-56.388 ; UV.2 11.303,-56.388
  Bottom Layer w0.3: v1(-4.445,-34.163) v1(1.397,-40.005) ; R12.2 VCTRL/MON.5 ; v1(12.446,-51.689) 12.573,-51.816 12.573,-54.737 v1(12.7,-54.864)
I2C3_SDA: LCD.4 R13.2 U1.40 UV.3 VCTRL/MON.4 | length 76.4
  Top Layer w0.24: 3.302,-16.129 4.445,-17.272 7.246,-17.272 7.629,-17.655 U1.40
  Top Layer w0.3: v1(-4.445,-36.576) -5.842,-35.179 -5.842,-19.939 -2.032,-16.129 3.302,-16.129 ; VCTRL/MON.4 7.608,-52.959 8.496,-53.848 LCD.4 ; v1(0.889,-41.783) 1.151,-41.783 1.428,-42.06 1.547,-42.06 8.656,-49.169 LCD.4 ; UV.3 16.294,-53.848 15.913,-53.467 9.602,-53.467 9.515,-53.553 8.951,-53.553 LCD.4
  Bottom Layer w0.3: v1(-4.445,-36.576) -4.382,-36.576 0.64,-41.597 0.703,-41.597 v1(0.889,-41.783) ; R13.2 VCTRL/MON.4
Net+3.3V_2: +3.3V.2 R2.1 | length 3.6
  Bottom Layer w0.3: R2.1 -3.913,-1.616 -3.46,-1.163 -3.46,-1.012 -2.448,0 +3.3V.2
Net+5V_2: +5V.2 R3.1 | length 4.2
  Bottom Layer w1: R3.1 -3.079,4.191 +5V.2
Net+15V_2: +15V.2 R5.1 | length 3.5
  Bottom Layer w1: R5.1 -3.961,13.705 -2.975,13.705 +15V.2
Net-15V_1: -15V.1 R7.1 | length 3.7
  Bottom Layer w1: -15V.1 1.42,18.15 1.64,18.15 3.58,20.09 3.961,20.09 R7.1
NetC13_2: C13.2 NRST.2 | length 3.2
  Top Layer w0.3: NRST.2 54.03,-22.749 C13.2
NetC17_1: C17.1 R16.1 X1.1 | length 14.1
  Top Layer w0.3: R16.1 34.016,-21.408 34.016,-21.716 34.035,-21.735 34.035,-24.673 34.635,-25.273 X1.1 39.878,-25.273 v1(40.767,-26.162)
  Bottom Layer w0.3: v1(40.767,-26.162) 40.767,-28.333 C17.1
NetLED1_2: LED1.2 R1.1 | length 4
  Bottom Layer w0.3: LED1.2 2.814,-6 4.41,-7.596 R1.1
NetR9_2: R9.2 U1.60 | length 14.2
  Top Layer w0.24: U1.60 16.24,-25.511 18.034,-27.305
  Top Layer w0.3: 18.034,-27.305 20.701,-27.305 23.282,-29.886 23.282,-30.648 v1(23.368,-30.734)
  Bottom Layer w0.3: v1(23.368,-30.734) 23.368,-32.823 R9.2
NRST: NRST.1 R8.1 U1.7 | length 27.9
  Top Layer w0.24: U1.7 29.859,-18.655 30.734,-17.78 40.143,-17.78 43.156,-20.793 R8.1 45.574,-20.793 NRST.1
PH0: C16.1 U1.5 X1.2 | length 15.3
  Top Layer w0.24: U1.5 21.814,-19.655 23.241,-21.082
  Top Layer w0.3: v1(24.384,-23.622) 24.484,-23.622 26.135,-25.273 X1.2
  Top Layer w0.35: 23.241,-21.082 24.384,-22.225 v1(24.384,-23.622)
  Bottom Layer w0.3: C16.1 21.87,-26.67 23.778,-24.762 23.778,-24.491 24.384,-23.884 v1(24.384,-23.622)
PH1: R16.2 U1.6 | length 12.1
  Top Layer w0.24: U1.6 23.6,-19.155 24.511,-20.066 25.019,-20.066
  Top Layer w0.35: 25.019,-20.066 25.908,-20.955 R16.2
RX_Coil_ADC2_IN13: "EMI SIG.5" U1.11 | length 31.1
  Top Layer w0.3: U1.11 21.59,-16.655 21.614,-16.679 27.771,-16.679 29.464,-14.986
  Top Layer w0.4: 29.464,-14.986 39.116,-14.986 43.815,-10.287 48.514,-10.287
SD_Card_CS: "SD CARD.6" U1.26 | length 51.2
  Top Layer w0.24: 13.304,-10.51 13.74,-10.946 U1.26
  Top Layer w0.3: 13.304,-10.51 12.954,-10.16 12.954,-9.779 12.7,-9.525 12.7,-2.794 19.177,3.683 38.608,3.683 39.116,4.191 39.116,12.573 36.576,15.113
Shunt_ADC3_IN2: "EMI SIG.2" U1.16 | length 33.2
  Top Layer w0.24: U1.16 21.532,-14.155 21.844,-13.843
  Top Layer w0.4: 21.844,-13.843 25.146,-10.541 34.036,-10.541 41.91,-2.667 48.514,-2.667
Sine_Sig_OUT: "EMI SIG.1" U1.20 | length 37.8
  Top Layer w0.24: U1.20 16.74,-10.692 19.685,-7.747
  Top Layer w0.4: 19.685,-7.747 32.512,-7.747 40.132,-0.127 48.514,-0.127
SPI1_MISO: "SD CARD.4" CAM2.3 U1.22 | length 42
  Top Layer w0.24: 15.367,-8.001 15.367,-10.033 15.74,-10.406 U1.22
  Top Layer w0.3: 15.367,-8.001 15.367,-5.207 18.415,-2.159 31.242,-2.159 v1(31.369,-2.286) ; CAM2.3 31.496,15.113
  Bottom Layer w0.3: v1(31.369,-2.286) 31.432,-2.222 31.432,6.667 CAM2.3
SPI1_MOSI: "SD CARD.5" CAM2.2 U1.23 | length 44.7
  Top Layer w0.24: 14.605,-9.144 14.605,-10.033 15.24,-10.668 U1.23
  Top Layer w0.3: 14.605,-9.144 14.605,-4.191 19.058,0.262 33.901,0.262 v1(34.036,0.127) ; CAM2.2 34.036,15.113
  Bottom Layer w0.3: v1(34.036,0.127) CAM2.2
SPI1_SCK: "SD CARD.3" CAM2.4 U1.21 | length 37.6
  Top Layer w0.24: U1.21 16.24,-9.668
  Top Layer w0.27: 16.24,-9.668 16.24,-8.525 20.447,-4.318 v1(28.829,-4.318)
  Top Layer w0.3: CAM2.4 28.956,15.113
  Bottom Layer w0.27: v1(28.829,-4.318) 28.892,-4.255 28.892,6.667 CAM2.4
SPI3_MISO: CAM1.3 TILT.4 U1.56 | length 66.7
  Top Layer w0.24: U1.56 14.24,-28.337 15.113,-29.21 15.113,-31.115
  Top Layer w0.3: 15.113,-31.115 22.733,-38.735 25.146,-38.735 27.559,-41.148 32.766,-41.148 34.544,-42.926 v1@34.544,-58.404 ; CAM1.3 27.559,-69.42 27.051,-68.912 27.051,-59.563 TILT.4
  Bottom Layer w0.3: TILT.4 29.389,-57.658 29.897,-58.166 33.883,-58.166 33.952,-58.234 34.358,-58.234 v1(34.544,-58.42)
SPI3_MOSI: CAM1.2 TILT.5 U1.57 | length 68.4
  Top Layer w0.24: U1.57 14.74,-27.44 16.002,-28.702 16.002,-30.099
  Top Layer w0.3: 16.002,-30.099 22.987,-37.084 25.781,-37.084 27.305,-38.608 32.385,-38.608 35.941,-42.164 v1(35.941,-55.245) ; CAM1.2 25.019,-59.055 TILT.5
  Bottom Layer w0.3: TILT.5 29.019,-55.181 35.877,-55.181 v1(35.941,-55.245)
SPI3_SCK: CAM1.4 TILT.3 U1.55 | length 57.5
  Top Layer w0.24: 13.74,-27.281 U1.55
  Top Layer w0.27: 13.74,-32.536 13.74,-27.281
  Top Layer w0.3: 13.74,-32.536 21.209,-40.005 23.876,-40.005 26.67,-42.799 26.67,-50.927 28.015,-52.272 28.65,-52.272 TILT.3 33.147,-56.769 33.147,-66.675 CAM1.4
SWCLK: "ST LINK.1" U1.49 | length 9.5
  Top Layer w0.24: 8.326,-27.165 10.74,-24.751 U1.49
  Top Layer w0.3: 7.747,-31.75 7.747,-27.744 8.326,-27.165
SWDIO: "ST LINK.2" U1.46 | length 18.4
  Top Layer w0.24: 4.064,-21.082 4.099,-21.082 4.526,-20.655 U1.46
  Top Layer w0.3: 4.064,-21.082 1.524,-23.622 1.524,-26.035 5.588,-30.099 5.588,-31.75
Temp_ADC1_10: U1.8 U2.2 | length 31.3
  Top Layer w0.24: U1.8 21.85,-18.155 22.352,-17.653 28.575,-17.653
  Top Layer w0.35: 28.575,-17.653 29.591,-16.637 48.895,-16.637 49.148,-16.89 U2.2 U2.2
TILT_CS: TILT.6 U1.61 | length 39.2
  Top Layer w0.24: U1.61 16.74,-24.995 18.288,-26.543 21.463,-26.543 25.654,-30.734 v1(30.861,-30.734) ; TILT.6 32.004,-46.99 v1(32.004,-42.433)
  Bottom Layer w0.24: v1(30.861,-30.734) 30.861,-41.783 30.968,-41.89 30.973,-41.895 31.002,-41.924 v1(32.004,-42.433)
USART1_RX: BLUETOOTH.4 U1.42 | length 56.1
  Top Layer w0.24: 4.699,-18.923 6.731,-18.923 6.999,-18.655 U1.42
  Top Layer w0.3: BLUETOOTH.4@-16.513,-58.931 -16.513,-59.179 BLUETOOTH.4 ; -2.794,-22.098 0.381,-18.923 4.699,-18.923
  Top Layer w0.4: BLUETOOTH.4@-16.513,-58.931 -2.794,-45.212 -2.794,-22.098
USART1_TX: BLUETOOTH.3 U1.43 | length 56.3
  Top Layer w0.24: 6.731,-19.939 7.515,-19.155 U1.43
  Top Layer w0.3: -1.524,-23.749 2.286,-19.939 6.731,-19.939
  Top Layer w0.4: BLUETOOTH.3 -2.33,-46.996 -1.524,-46.189 -1.524,-23.749
USART3_RX: GPS.6 U1.51 | length 62.4
  Top Layer w0.24: 10.541,-28.829 10.541,-26.67 11.74,-25.471 U1.51
  Top Layer w0.3: 10.541,-28.829 10.287,-29.083 10.287,-37.592 21.336,-48.641 v1(25.019,-48.641) ; v1(46.101,-48.768) 48.895,-51.562 GPS.6
  Bottom Layer w0.3: v1(25.019,-48.641) 25.205,-48.455 25.611,-48.455 25.68,-48.387 28.53,-48.387 28.571,-48.428 43.438,-48.428 ccw(c44.196,-47.498) 44.152,-48.697 v1(46.101,-48.768)
USART3_TX: GPS.5 U1.52 | length 59.2
  Top Layer w0.24: 11.311,-27.686 11.303,-27.678 11.303,-26.67 12.24,-25.733 U1.52
  Top Layer w0.3: 11.311,-27.686 11.341,-27.716 11.341,-36.36 21.209,-46.228 v1(25.146,-46.228) ; v1(46.221,-46.494) 48.749,-49.022 GPS.5
  Bottom Layer w0.3: v1(25.146,-46.228) 45.693,-46.228 45.958,-46.494 v1(46.221,-46.494)
USART6_RX: STM_CONN.5 U1.37 | length 19.9
  Top Layer w0.24: 3.937,-13.843 6.096,-16.002 7.239,-16.002 7.392,-16.155 U1.37
  Top Layer w0.3: STM_CONN.5 -7.844,-18.355 -7.434,-17.946 -7.415,-17.946 -3.313,-13.843 3.937,-13.843
USART6_TX: STM_CONN.4 U1.38 | length 20.6
  Top Layer w0.24: 3.937,-15.113 5.479,-16.655 U1.38
  Top Layer w0.3: STM_CONN.4 -8.209,-20.76 -7.842,-20.393 -7.842,-20.161 -4.336,-16.655 -2.794,-15.113 3.937,-15.113
VCAP1: C11.2 U1.31 | length 6.6
  Top Layer w0.24: 10.541,-10.16 10.541,-10.414 11.24,-11.113 U1.31
  Top Layer w0.27: 9.271,-8.89 10.541,-10.16
  Top Layer w0.3: 9.271,-8.89 9.271,-6.699 C11.2
VCAP2: C12.2 U1.47 | length 4.9
  Top Layer w0.24: 6.086,-21.854 6.785,-21.155 U1.47
  Top Layer w0.3: C12.2 5.561,-23.384 6.086,-22.859 6.086,-21.854
pads on no net: GPS.1 GPS.3 GPS.4 GPS.9 STM_CONN.M1 STM_CONN.M2 TILT. U1.2 U1.3 U1.4 U1.9 U1.10 U1.14 U1.15 U1.17 U1.25 U1.27 U1.28 U1.36 U1.39 U1.44 U1.45 U1.62 UV.1

## Polygon pours and split planes (outlines as drawn)
+3.3V on Top Layer "NONET_L-01_P-001" (hatched Horizontal grid 0.3 track 0.3, remove dead copper, pour order 5): -30.607,26.797 57.404,26.797 57.404,-74.803 -30.607,-74.803
GND on Top Layer "NONET_L-01_P-001" (hatched Horizontal grid 0.3 track 0.3, remove dead copper, pour order 4): 20.09,-18.155 20.338,-17.907 41.91,-17.907 41.91,-29.083 41.656,-29.337 41.275,-28.956 29.464,-28.956 29.464,-27.94 29.337,-27.813 25.273,-27.813 21.463,-24.003 21.463,-20.066 20.179,-20.066 20.09,-20.155
GND on Top Layer "NONET_L-01_P-001" (hatched Horizontal grid 0.3 track 0.3, remove dead copper, pour order 2): 16.24,-13.205 16.24,-8.525 20.447,-4.318 29.337,-4.318 33.782,0.127 34.544,0.127 36.449,2.032 53.34,2.032 53.34,-12.192 53.213,-12.319 43.942,-12.319 43.942,-12.7 40.64,-16.002 40.513,-15.875 29.464,-15.875 28.184,-17.155 20.09,-17.155 20.09,-14.155 19.143,-13.208 18.415,-13.208
GND on Bottom Layer "GND_L02_P000" (hatched Horizontal grid 0.3 track 0.3, remove dead copper, pour order 0): -30.734,26.797 57.277,26.797 57.277,-74.676 57.404,-74.803 -30.607,-74.803

## Silkscreen, mask and mechanical layers (free items; w line width, h text height)
Top Overlay:
  text "MEng Team 4" at -10.033,-70.485 h1.52
  text "Joshua  Needham" at -12.446,-73.406 h1.52
Mechanical 1:
  the board outline again, w0.254

## Text inside footprints (layer, text, board x,y; h text height)
STM_CONN: Assembly Notes "PCB Edge" at -22.789,-21.54 h1.02 r270
U2: Top Overlay "3" at 47.244,-19.431 h1.5; Top Overlay "1" at 47.752,-15.748 h1.5